# Allegro board HL_VPN_bf.brd (continued)
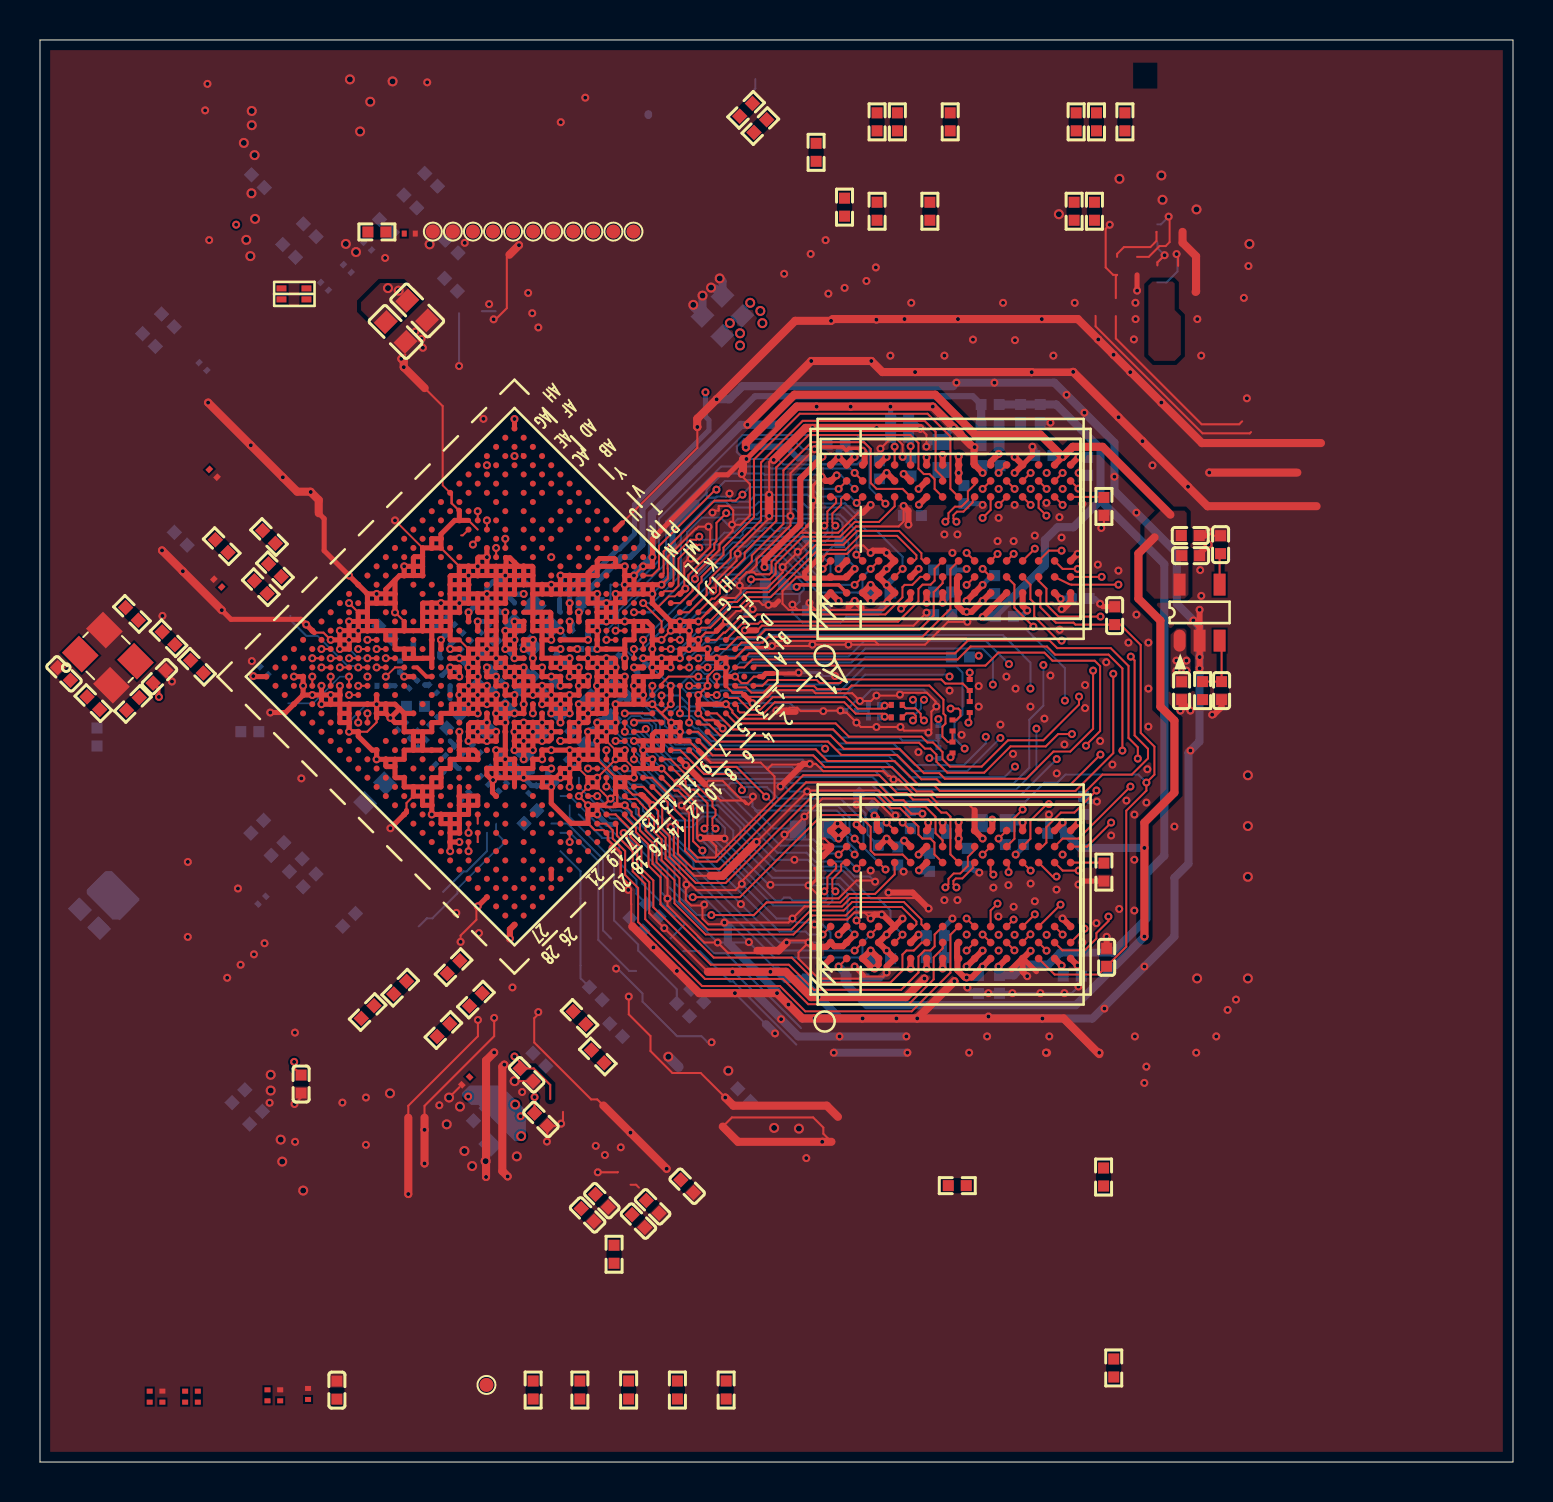
[diagram p0: board, top side]
## Copper pours and planes (outline as drawn; the poured copper is in the pictures) (continued)
VDD_CPU on BOTTOM: 25.12,37.25 25.76,36.61 25.76,36.23 24.49,34.96 24.11,34.96 23.47,35.6 23.47,35.72 23.22,35.98 23.22,36.36 24.11,37.25
VDD_CPU on L3-POWER: 17.98,2.07 20.94,5.03 31.32,5.03 35.58,9.29 35.58,18.28 29.32,24.55 29.32,29.12 28.17,30.26 28.17,31.66 28.05,31.66 25.76,33.95 25.76,34.71 25.89,34.84 25.89,34.96 25.85,35 25.85,35.63 25.89,35.66 25.89,36.49 25.12,37.25 24.11,37.25 10.15,23.29 7.73,23.29 3.6,19.15 3.6,2.07
VDD_GPU on TOP: 17.25,56.41 18.97,58.13 18.13,58.97 17.02,58.97 16.05,58 16.05,57.6
VDD_GPU on BOTTOM: 22.33,41.19 22.33,41.06 22.97,40.42 23.22,40.42 23.47,40.17 23.47,40.04 23.6,39.92 23.73,39.92 23.98,40.17 23.98,40.3 23.6,40.68 23.6,40.8 24.36,41.57 24.36,41.95 23.73,42.58
VDD_GPU on L3-POWER: 23.73,39.92 23.09,39.92 22.72,40.28 22.22,40.28 21.93,40 21.39,40 20.94,40.45 20.94,42.24 20.05,43.14 20.05,44.22 19.33,44.94 18.16,46.11 17.89,46.37 17.35,46.37 9.61,54.12 1.4,54.12 1.4,62.75 16.31,62.75 19.56,59.5 24.95,59.5 28.49,55.96 28.49,50.33 23.63,45.48 23.63,44.9 24.11,44.43 24.11,42.69 23.87,42.46 23.87,40.43 23.92,40.38 23.92,40.11
VDD_LOGIC on BOTTOM: 34.99,55.35 36.52,56.88 36.52,57.56 35.82,58.27 35.09,58.27 33.38,56.55 33.38,56.07 34.1,55.35
VDD_LOGIC on BOTTOM: 23.85,40.8 23.85,40.68 25.38,39.15 25.38,39.03 25.89,38.52 26.02,38.52 26.27,38.77 26.27,39.03 25.76,39.53 25.76,39.92 25.38,40.3 25.38,40.55 24.49,41.44
VDD_LOGIC on BOTTOM: 22.58,40.04 22.33,40.04 22.08,39.79 22.08,39.53 23.47,38.14 24.11,38.14 24.49,38.52 24.49,38.77 24.24,39.03 23.6,39.03
VDD_LOGIC on L3-POWER: 33.18,48.22 33.18,48.83 33.79,49.44 34.4,49.44 37.57,52.62 37.57,60.36 28.27,69.67 1.74,69.67 1.74,63.36 16.82,63.36 20.07,60.11 25.32,60.11 28.87,56.55 28.87,50.08 26.78,47.98 26.78,47.66 24.11,45 24.11,42 24.09,41.97 24.09,40 23.87,39.78 22.87,39.78 22.6,40.05 22.19,40.05 22.18,40.07 21.84,39.73 21.84,39.37 23.46,37.75 23.47,37.75 23.6,37.63 23.6,37.63 23.73,37.5 24.36,37.5 24.49,37.63 25.25,37.63 25.76,37.12 25.89,37.12 26.39,37.63 26.39,38.14 26.27,38.26 26.27,38.39 26.46,38.58 26.46,39.17 26.61,39.32 26.61,40.38 26.92,40.69 26.92,41.33 27.14,41.55 27.14,42.48 30.72,46.06 31.01,46.06
VDD_NPU on BOTTOM (solid shape): 4.96,28.19 4.96,28.08 4.01,27.13 3.63,27.13 2.34,28.42 2.34,28.62 3.27,29.55 3.6,29.55
VDD_NPU on BOTTOM: 22.46,37.25 21.95,37.25 21.44,36.74 21.44,36.36 21.19,36.11 21.19,35.98 21.57,35.6 21.7,35.6 21.95,35.85 22.58,35.85 22.97,36.23 22.97,36.74
VDD_NPU on L3-POWER: 23.46,37.4 20.95,39.91 20.95,39.73 20.85,39.64 20.67,39.64 19.5,38.47 19.82,38.15 19.82,37.75 19.2,37.13 18.76,37.13 16.34,34.71 14.47,34.71 12.06,37.12 1.63,37.12 1.63,24.55 8.74,24.55 10.95,26.75 13.23,26.75 22.33,35.85 22.46,35.85 23.47,36.87 23.47,36.99 23.46,37.01 23.46,37.39
Net_1 on BOTTOM: 22.33,33.54 22.33,33.06 22.2,32.93 22.08,32.93 21.7,33.31 21.7,34.84 21.82,34.96 21.95,34.96 22.2,34.71 22.2,34.05 22.09,33.93 22.09,33.78
Net_2 on L3-POWER: 4.55,38.9 5.57,37.88 11.51,37.88 14.47,34.92 16.2,34.92 18.52,37.25 19.03,37.25 19.73,37.95 19.54,38.14 18.48,38.14 16.45,36.11 16.23,36.11 15.98,35.85 15.09,35.85 12.04,38.9
Net_3 on TOP: 56.75,58.93 56.75,57.61 57.05,57.31 57.05,55.38 56.75,55.07 55.73,55.07 55.42,55.38 55.42,58.83 55.63,59.04 56.64,59.04

Small or netless copper shapes (teardrops, artwork), in the pictures only: 3 on BOTTOM

## Text on the board
User.Comments: 27 | AG | 28 | AH | 25 | AE | AF | 26 | 23 | AC | 24 | AD | 21 | AA | 22 | AB | W | 19 | Y | 20 | U | 17 | V | 18 | R | 15 | T | 16 | N | 13 | P | 14 | L | 11 | M | 12 | 9 | J | K | 10 | 7 | G | H | 8 | E | 5 | F | 6 | 3 | C | D | 4 | 1 | A | B | 2
Ref Des/Assembly Top: A1
User.11: Pin1 | 200 | 143,45 | 5 | 35 * 3 | 17,5 | 50 | 25 | 20 | 64,85 | 180 | 40 | 19 | 15 | 6
User.15: 35
User.22: FIGURE | SIZE | 7.874 | 11.81 | 25.984 | 29.528 | 31.496 | 31.5 | 33.465 | 35.039 | 35.43 | 35.433 | 39.37 | 40.157 | 43.307 | 43.311 | 59.055 | 59.059 | 62.992 | 64.961 | 66.9 | 110.236 | 125.984 | 133.858 | 149.606 | 25.591 | 35.429 | 47.244 | 51.181 | 66.929 | 86.61 | 43.307x29.528 | 47.244x19.685 | 55.11x23.618 | 59.055x31.496 | 66.921x23.618 | 66.929x35.433 | 78.74x23.62 | 78.74x31.49 | 98.421x23.618 | 106.299x35.433 | 137.795x39.37 | DRILL CHART: TOP to BOTTOM | ALL UNITS ARE IN MILS | PLATED | NON-PLATED | QTY | 4614 | 2753 | 2 | 8 | 3 | 26 | 18 | 15 | 20 | 17 | 10 | 4 | 5 | 1 | 6
